# Altium PCB 通用工装板.PcbDoc (part 1 of 10) (continued)
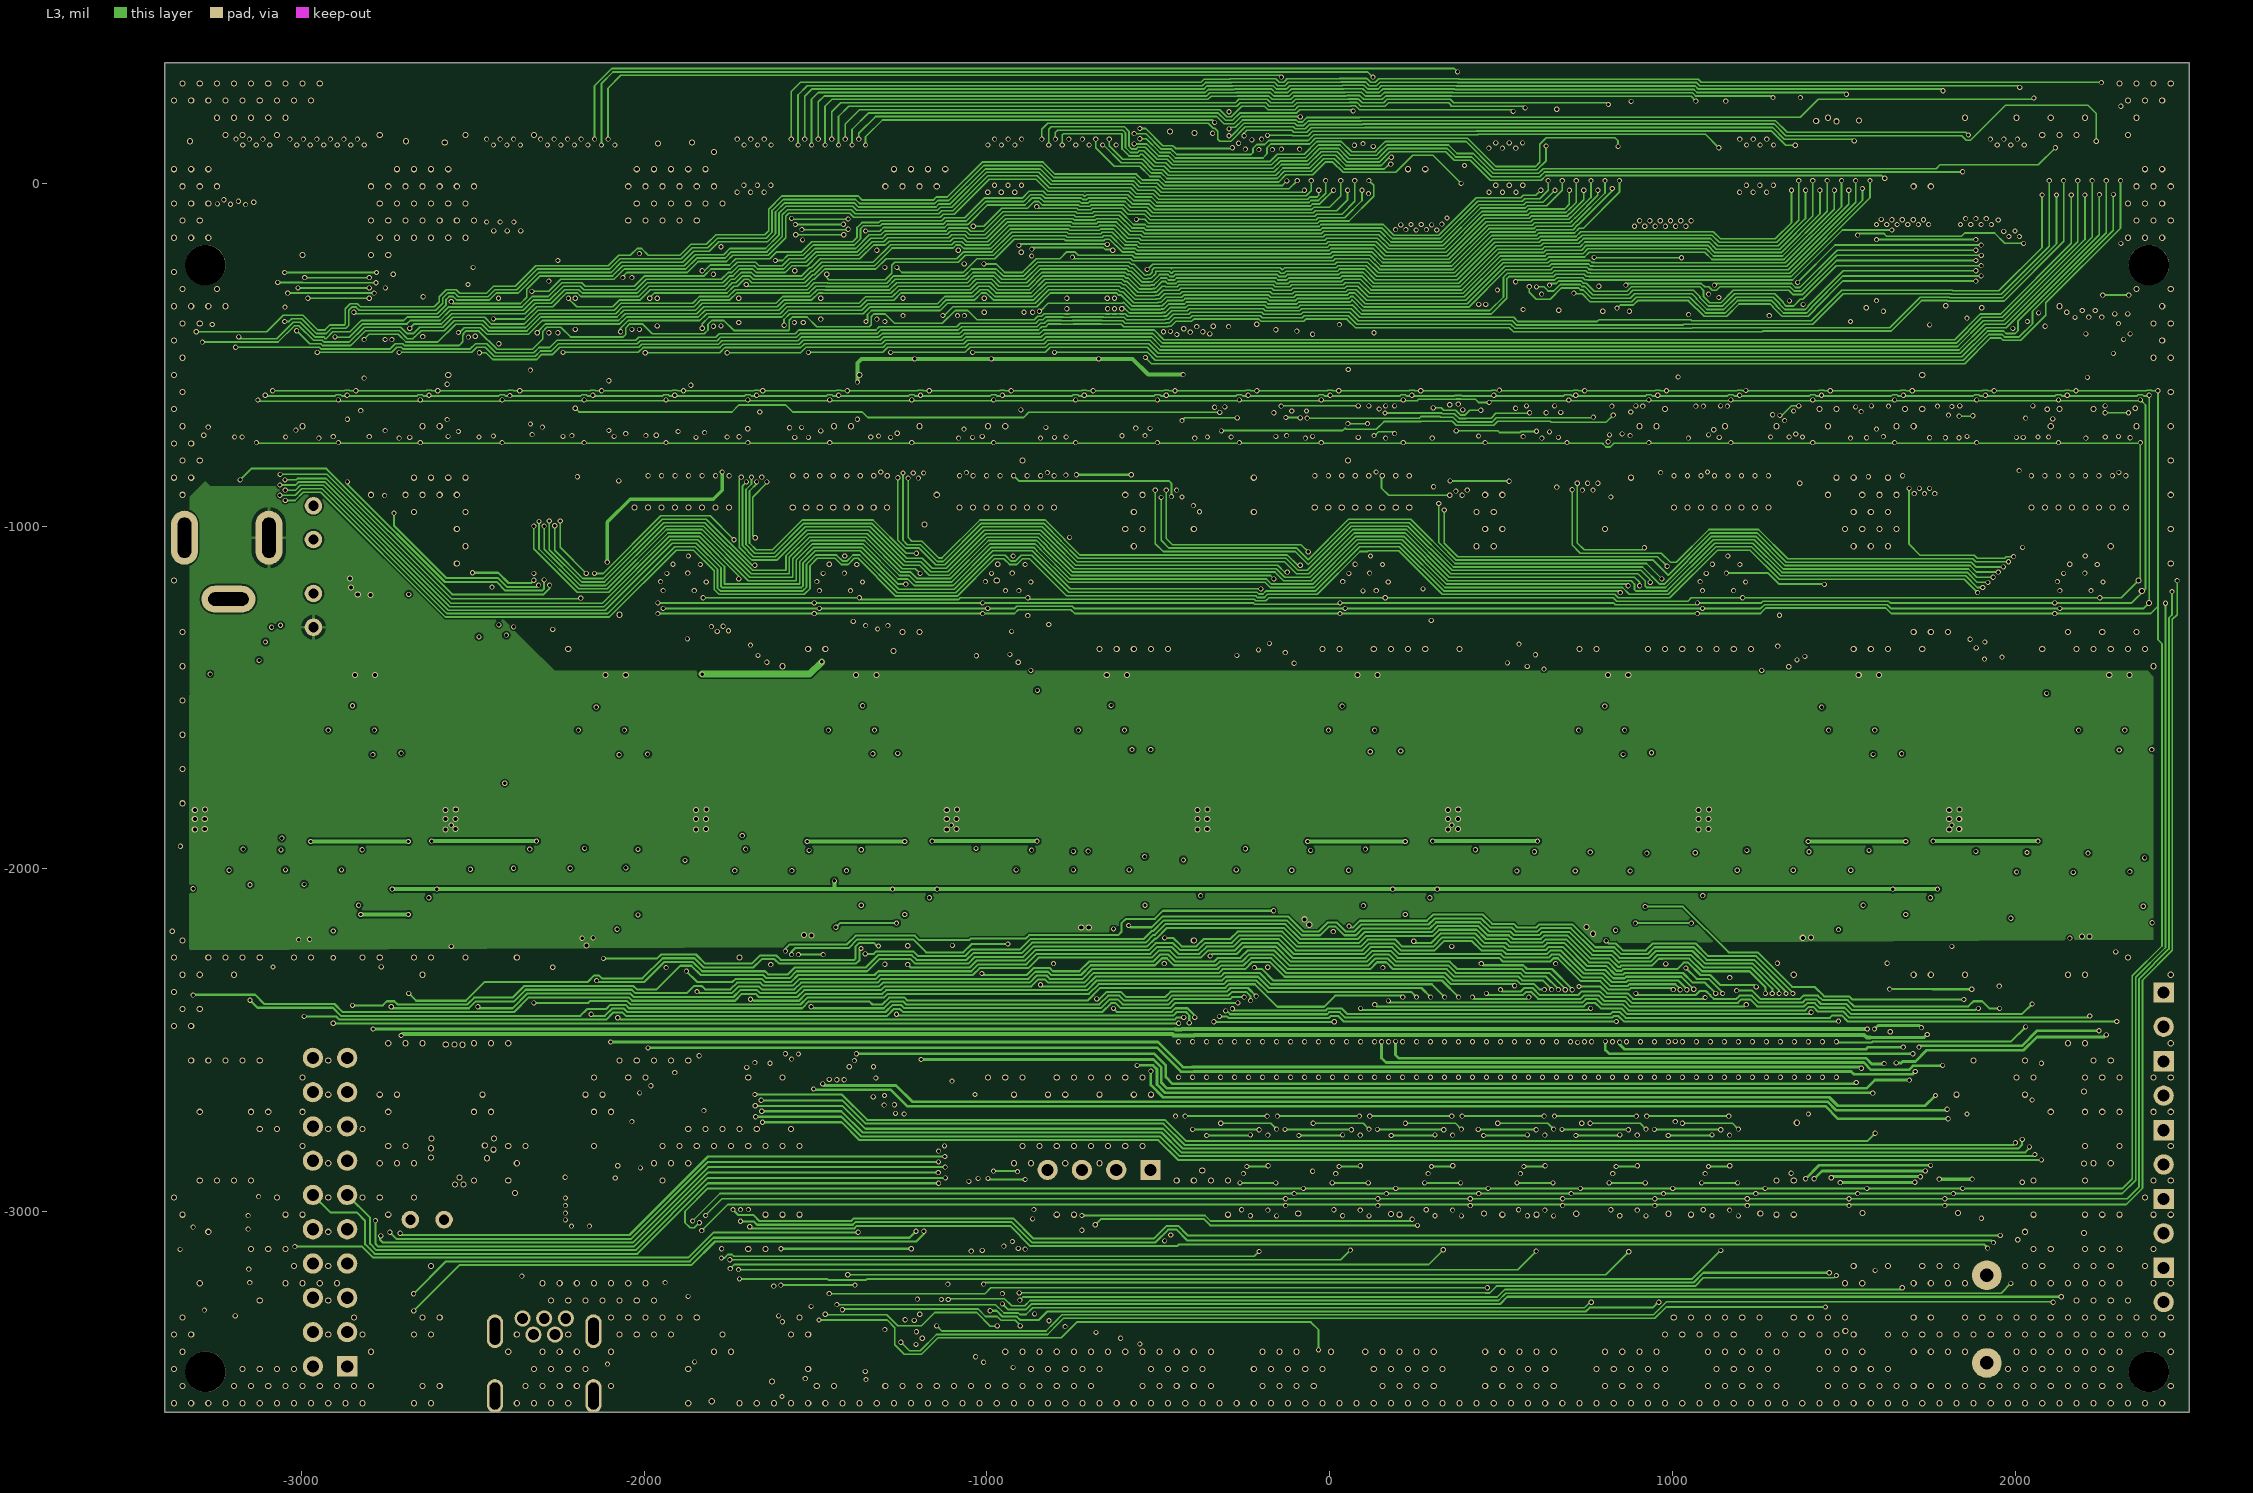
[diagram p3: L3]
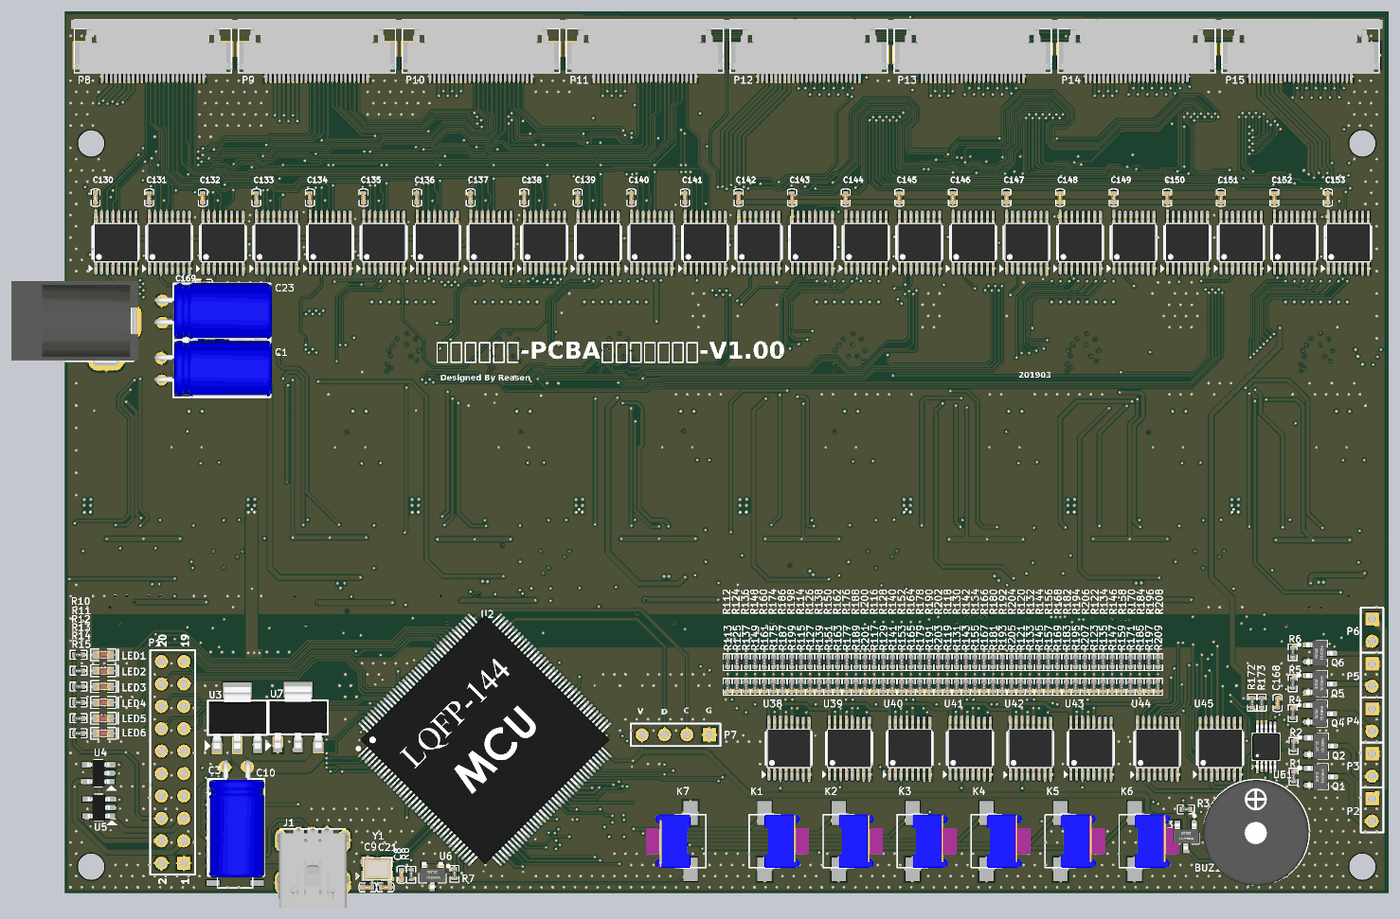
[diagram p13: 3D render of the assembled board from above, using the file's embedded part models]
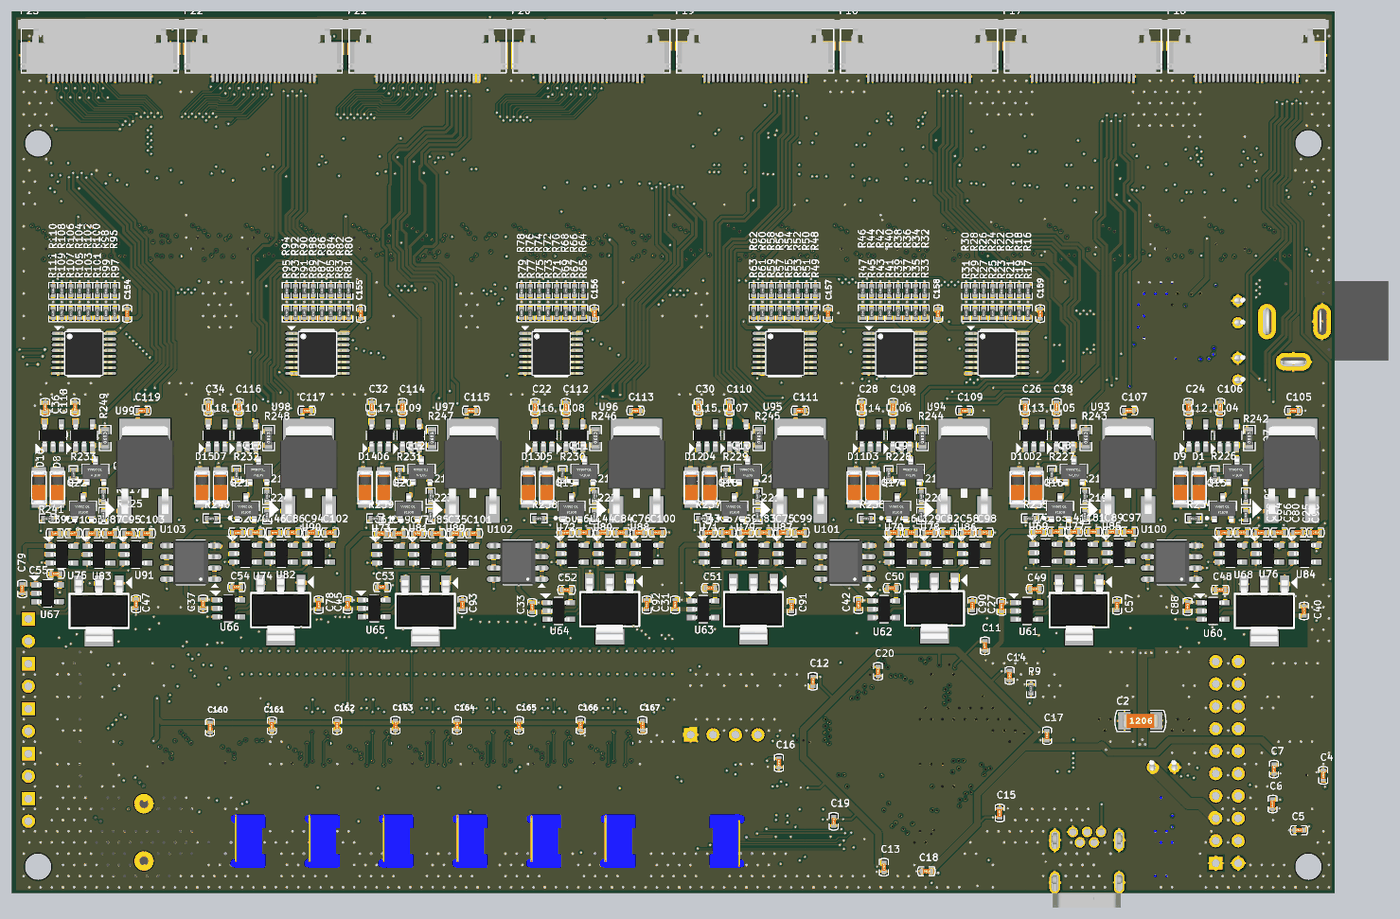
[diagram p14: 3D render of the assembled board from below, using the file's embedded part models]

## Layer stack, top to bottom
Top Solder: solder mask 0.4, Solder Resist, Dk 3.5
L1: signal copper 1.4
Dielectric 1: core 10, FR-4, Dk 4.2
L2: signal copper 1.417
Dielectric 3: prepreg 5, Dk 4.2
L3: signal copper 1.417
Dielectric 2: core 10, Dk 4.2
L4: signal copper 1.4
Bottom Solder: solder mask 0.4, Solder Resist, Dk 3.5

## Board outline
-3398,-3585 2507.51,-3585 2507.51,352.01 -3398,352.01

## Design rules (kind name [scope] priority, off if disabled: settings)
Clearance [All] p1: gap=5 ignorepadtopadclearanceinfootprint=FALSE except(0: Arc-Hole Track-Hole SMDPad-Hole THPad-Hole Via-Hole Fill-Hole Poly-Hole Region-Hole Text-Hole)
ComponentClearance [All] p1 off: gap=10 collisioncheckmode=3 verticalgap=10 showdistances=FALSE
Height [All] p1 off: minheight=0 maxheight=1000 prefheight=500
HoleSize [All] p1: absolutevalues=TRUE maxlimit=999 minlimit=1 maxpercent=80.000 minpercent=20.000
MinimumSolderMaskSliver [All] p1: minsoldermaskwidth=0
PolygonConnect via [IsVia] p1: connectstyle=Direct reliefconductorwidth=10 reliefentries=4 polygonreliefangle="90 Angle" airgapwidth=10
PolygonConnect [All] p2: connectstyle=Relief reliefconductorwidth=10 reliefentries=4 polygonreliefangle="90 Angle" airgapwidth=10
RoutingVias [All] p1: holewidth=10 width=15 viastyle="Through Hole" minholewidth=10 minwidth=15 maxholewidth=28 maxwidth=50
SilkToSilkClearance [All] p1: silktosilkclearance=0
SilkToSolderMaskClearance [IsPad] p1: minsilkscreentomaskgap=0 clearancetoexposedcopper=TRUE
SolderMaskExpansion [All] p1: expansion=4 istentingtop=FALSE
Width [All] p1: maxlimit=999 minlimit=5 preferedwidth=5
24 further rules are at their usual default settings.

## Classes and differential pairs
component class 01_mcu: BUZ1 C1 C2 C3 C4 C5 C6 C7 C8 C9 C10 C11 C12 C13 C14 C15 C16 C17 C18 C19 C20 C21 J1 K1 K2 K3 K4 K6 K7 LED1 LED2 LED3 LED4 LED5 LED6 P1 P2 P3 P4 P5 P6 P7 Q1 Q2 Q3 Q4 Q5 Q6 R1 R2 R3 R4 R5 R6 R7 R8 R9 R10 R11 R12 R13 R14 R15 U1 U2 U3 U4 U5 U6 U7 Y1
component class 02: C22 C23 C130 C131 C132 C133 C134 C135 C136 C137 C138 C139 C140 C141 C142 C143 C144 C145 C146 C147 C148 C149 C150 C151 C152 C153 C154 C155 C156 C157 C158 C159 C160 C161 C162 C163 C164 C165 C166 C167 C168 C169 P8 P9 P10 P11 P12 P13 P14 P15 P16 P17 P18 P19 P20 P21 P22 P23 R16 R17 R18 R19 R20 R21 R22 R23 R24 R25 R26 R27 R28 R29 R30 R31 R32 R33 R34 R35 R36 R37 R38 R39 R40 R41 R42 R43 R44 R45 R46 R47 R48 R49 R50 R51 R52 R53 R54 R55 R56 R57 R58 R59 R60 R61 R62 R63 R64 R65 R66 R67 R68 R69 R70 R71 R72 R73 R74 R75 R76 R77 R78 R79 R80 R81 R82 R83 R84 R85 R86 R87 R88 R89 R90 R91 R92 R93 R94 R95 R96 R97 R98 R99 R100 R101 R102 R103 R104 R105 R106 R107 R108 R109 R110 R111 R112 R113 R114 R115 R116 R117 R118 R119 R120 R121 R122 R123 R124 R125 R126 R127 R128 R129 R130 R131 R132 R133 R134 R135 R136 R137 R138 R139 R140 R141 R142 R143 R144 R145 R146 R147 R148 R149 R150 R151 R152 R153 R154 R155 R156 R157 R158 R159 R160 R161 R162 R163 R164 R165 R166 R167 R168 R169 R170 R171 R172 R173 R174 R175 R176 R177 R178 R179 R180 R181 R182 R183 R184 R185 R186 R187 R188 R189 R190 R191 R192 R193 R194 R195 R196 R197 R198 R199 R200 R201 R202 R203 R204 R205 R206 R207 R208 R209 U8 U9 U10 U11 U12 U13 U14 U15 U16 U17 U18 U19 U20 U21 U22 U23 U24 U25 U26 U27 U28 U29 U30 U31 U32 U33 U34 U35 U36 U37 U38 U39 U40 U41 U42 U43 U44 U45 U50 U51
component class 03: C24 C25 C26 C27 C28 C29 C30 C31 C32 C33 C34 C35 C36 C37 C38 C39 C40 C41 C42 C43 C44 C45 C46 C47 C48 C49 C50 C51 C52 C53 C54 C55 C56 C57 C58 C59 C60 C61 C62 C63 C64 C65 C66 C67 C68 C69 C70 C71 C72 C73 C74 C75 C76 C77 C78 C79 C80 C81 C82 C83 C84 C85 C86 C87 C88 C89 C90 C91 C92 C93 C94 C95 C96 C97 C98 C99 C100 C101 C102 C103 C104 C105 C106 C107 C108 C109 C110 C111 C112 C113 C114 C115 C116 C117 C118 C119 D1 D2 D3 D4 D5 D6 D7 D8 D9 D10 D11 D12 D13 D14 D15 D16 Q7 Q8 Q9 Q10 Q11 Q12 Q13 Q14 Q15 Q16 Q17 Q18 Q19 Q20 Q21 Q22 R210 R211 R212 R213 R214 R215 R216 R217 R218 R219 R220 R221 R222 R223 R224 R225 R226 R227 R228 R229 R230 R231 R232 R233 R234 R235 R236 R237 R238 R239 R240 R241 R242 R243 R244 R245 R246 R247 R248 R249 U52 U53 U54 U55 U56 U57 U58 U59 U60 U61 U62 U63 U64 U65 U66 U67 U68 U69 U70 U71 U72 U73 U74 U75 U76 U77 U78 U79 U80 U81 U82 U83 U84 U85 U86 U87 U88 U89 U90 U91 U92 U93 U94 U95 U96 U97 U98 U99 U100 U101 U102 U103 U104 U105 U106 U107 U108 U109 U110 U112 U113 U114 U115 U116 U117 U118 U119

## Components (designator, comment, footprint, x,y, rotation, side; value= is the part's Value field where it differs from the comment)
BUZ1 "Value" DIP_BUZZER_2P_6R5_D12H9 1916.96,-3313.35 r0 top
C1 "10uf" CAP_2P_2R5_D6R3H11_W -2697.21,-1245.74 r270 top
C2 "10uf" C1206 -2530,-2816 r180 bottom
C3 "100nF" c0402 -2716,-3098 r180 top
C4 "100nF" c0402 -3346,-3059 r90 bottom
C5 "100nF" c0402 -3238,-3304 r0 bottom
C6 "100nF" c0402 -3120,-3187 r90 bottom
C7 "100nF" c0402 -3126,-3031 r90 bottom
C8 "100nF" c0402 -1895.98,-3502.08 r90 top
C9 "20pF" c0402 -2046.59,-3558.82 r0 top
C10 "10uf" CAP_2P_2R5_D6R3H11_W -2633,-3291 r180 top
C11 "100nf" c0402 -1836,-2481 r90 bottom
C12 "100nf" c0402 -1068,-2639 r90 bottom
C13 "100nf" c0402 -1385,-3469 r90 bottom
C14 "100nf" c0402 -1946,-2613 r90 bottom
C15 "100nf" c0402 -1902,-3227 r270 bottom
C16 "100nf" c0402 -917,-3003 r90 bottom
C17 "100nf" c0402 -2113,-2882 r90 bottom
C18 "100nf" c0402 -1575,-3487 r180 bottom
C19 "100nf" c0402 -1161,-3264 r90 bottom
C20 "100nf" c0402 -1359,-2595 r90 bottom
C21 "20pF" c0402 -1967.85,-3558.82 r180 top
C22 "100NF" c0402 171.18,-1415.71 r270 bottom
C23 "100NF" CAP_2P_2R5_D6R3H11_W -2697.21,-989.83 r270 top
C24 "100NF" c0402 -2744.46,-1415.71 r270 bottom
C25 "100NF" c0402 -3232.65,-1974.76 r0 bottom
C26 "100NF" c0402 -2015.55,-1415.71 r270 bottom
C27 "100NF" c0402 -1909.81,-2305.47 r90 bottom
C28 "100NF" c0402 -1286.64,-1415.71 r270 bottom
C29 "100NF" c0402 -1586.98,-1974.76 r0 bottom
C30 "100NF" c0402 -557.73,-1415.71 r270 bottom
C31 "100NF" c0402 -453.12,-2297.6 r90 bottom
C32 "100NF" c0402 900.09,-1415.71 r270 bottom
C33 "100NF" c0402 184.68,-2309.41 r90 bottom
C34 "100NF" c0402 1629,-1415.71 r270 bottom
C35 "100NF" c0402 527.2,-1978.7 r0 bottom
C36 "100NF" c0402 2357.9,-1415.71 r270 bottom
C37 "100NF" c0402 1653.18,-2293.66 r90 bottom
C38 "100NF" c0402 -2156.16,-1415.71 r270 bottom
C39 "100NF" c0402 2314.6,-1978.7 r0 bottom
C40 "100NF" c0402 -3260.2,-2325.16 r270 bottom
C41 "100NF" c0402 -2232.65,-1970.83 r0 bottom
C42 "100NF" c0402 -1272.02,-2297.6 r90 bottom
C43 "100NF" c0402 -602.72,-1974.76 r0 bottom
C44 "100NF" c0402 -130.28,-1974.76 r0 bottom
C45 "100NF" c0402 1007.51,-2297.6 r90 bottom
C46 "100NF" c0402 1334.28,-1974.76 r0 bottom
C47 "100NF" c0402 1952.39,-2293.66 r270 bottom
C48 "100NF" c0402 -2886.19,-2230.67 r180 bottom
C49 "100NF" c0402 -2059.42,-2226.73 r180 bottom
C50 "100NF" c0402 -1421.62,-2222.8 r180 bottom
C51 "100NF" c0402 -610.6,-2222.8 r180 bottom
C52 "100NF" c0402 31.13,-2230.67 r180 bottom
C53 "100NF" c0402 853.97,-2218.86 r180 bottom
C54 "100NF" c0402 1503.57,-2218.86 r180 bottom
C55 "100NF" c0402 2310.66,-2159.8 r180 bottom
C56 "100NF" c0402 -3067.29,-1974.76 r0 bottom
C57 "100NF" c0402 -2425.56,-2301.54 r270 bottom
C58 "100NF" c0402 -1756.27,-1974.76 r0 bottom
C59 "100NF" c0402 -768.08,-1974.76 r0 bottom
C60 "100NF" c0402 35.07,-1974.76 r0 bottom
C61 "100NF" c0402 857.91,-1978.7 r0 bottom
C62 "100NF" c0402 1499.64,-1974.76 r0 bottom
C63 "100NF" c0402 2149.24,-1978.7 r0 bottom
C64 "100NF" c0402 -2984.61,-1974.76 r180 bottom
C65 "100NF" c0402 -2153.91,-1970.83 r180 bottom
C66 "100NF" c0402 -1508.24,-1974.76 r180 bottom
C67 "100NF" c0402 -685.4,-1974.76 r180 bottom
C68 "100NF" c0402 -47.61,-1974.76 r180 bottom
C69 "100NF" c0402 779.17,-1978.7 r180 bottom
C70 "100NF" c0402 1416.96,-1974.76 r180 bottom
C71 "100NF" c0402 2231.92,-1978.7 r180 bottom
C72 "100NF" c0402 -2901.94,-1974.76 r0 bottom
C73 "100NF" c0402 -2075.17,-1970.83 r0 bottom
C74 "100NF" c0402 -1429.5,-1974.76 r0 bottom
C75 "100NF" c0402 -933.43,-1974.76 r0 bottom
C76 "100NF" c0402 -291.7,-1974.76 r0 bottom
C77 "100NF" c0402 696.49,-1978.7 r0 bottom
C78 "100NF" c0402 1137.43,-2297.6 r270 bottom
C79 "100NF" c0402 2460.27,-2226.73 r90 bottom
C80 "100NF" c0402 -3149.97,-1974.76 r180 bottom
C81 "100NF" c0402 -2319.26,-1970.83 r180 bottom
C82 "100NF" c0402 -1669.65,-1974.76 r180 bottom
C83 "100NF" c0402 -850.76,-1974.76 r180 bottom
C84 "100NF" c0402 -212.96,-1974.76 r180 bottom
C85 "100NF" c0402 609.87,-1978.7 r180 bottom
C86 "100NF" c0402 1251.61,-1974.76 r180 bottom
C87 "100NF" c0402 2066.57,-1978.7 r180 bottom
C88 "100NF" c0402 -2740.52,-2305.47 r90 bottom
C89 "100NF" c0402 -2401.94,-1970.83 r0 bottom
C90 "100NF" c0402 -1779.89,-2301.54 r270 bottom
C91 "100NF" c0402 -972.8,-2305.47 r270 bottom
C92 "100NF" c0402 -327.13,-2297.6 r270 bottom
C93 "100NF" c0402 495.7,-2297.6 r270 bottom
C94 "100NF" c0402 1168.93,-1974.76 r0 bottom
C95 "100NF" c0402 1983.89,-1978.7 r0 bottom
C96 "100NF" c0402 -3311.39,-1974.76 r180 bottom
C97 "100NF" c0402 -2480.68,-1970.83 r180 bottom
C98 "100NF" c0402 -1835.01,-1974.76 r180 bottom
C99 "100NF" c0402 -1012.17,-1974.76 r180 bottom
C100 "100NF" c0402 -374.38,-1974.76 r180 bottom
C101 "100NF" c0402 444.52,-1978.7 r180 bottom
C102 "100NF" c0402 1086.25,-1974.76 r180 bottom
C103 "100NF" c0402 1905.15,-1978.7 r180 bottom
C104 "100NF" c0402 -2736.58,-1199.17 r180 top
C105 "100NF" c0402 -3212.96,-1431.46 r0 bottom
C106 "100NF" c0402 -2886.19,-1415.71 r270 bottom
C107 "100NF" c0402 -2478.99,-1431.46 r0 bottom
C108 "100NF" c0402 -1426.12,-1415.71 r270 bottom
C109 "100NF" c0402 -1745.02,-1431.46 r0 bottom
C110 "100NF" c0402 -696.09,-1415.71 r270 bottom
C111 "100NF" c0402 -1011.05,-1431.46 r0 bottom
C112 "100NF" c0402 33.95,-1415.71 r270 bottom
C113 "100NF" c0402 -277.08,-1431.46 r0 bottom
C114 "100NF" c0402 763.98,-1415.71 r270 bottom
C115 "100NF" c0402 456.89,-1431.46 r0 bottom
C116 "100NF" c0402 1494.01,-1415.71 r270 bottom
C117 "100NF" c0402 1190.86,-1431.46 r0 bottom
C118 "100NF" c0402 2224.05,-1415.71 r270 bottom
C119 "100NF" c0402 1924.83,-1431.46 r0 bottom
C130 "100NF" c0402 -3260.2,-480.34 r270 top
C131 "100NF" c0402 -3021.25,-480.34 r270 top
C132 "100NF" c0402 -2782.29,-480.34 r270 top
C133 "100NF" c0402 -2543.33,-480.34 r270 top
C134 "100NF" c0402 -2304.37,-480.34 r270 top
C135 "100NF" c0402 -2065.41,-480.34 r270 top
C136 "100NF" c0402 -1826.45,-480.34 r270 top
C137 "100NF" c0402 -1587.49,-480.34 r270 top
C138 "100NF" c0402 -1348.53,-480.34 r270 top
C139 "100NF" c0402 -1109.57,-480.34 r270 top
C140 "100NF" c0402 -870.62,-480.34 r90 top
C141 "100NF" c0402 -631.66,-480.34 r90 top
C142 "100NF" c0402 -392.7,-480.34 r90 top
C143 "100NF" c0402 -153.74,-480.34 r90 top
C144 "100NF" c0402 85.22,-480.34 r90 top
C145 "100NF" c0402 324.18,-480.34 r90 top
C146 "100NF" c0402 563.14,-480.34 r90 top
C147 "100NF" c0402 802.1,-480.34 r90 top
C148 "100NF" c0402 1041.06,-480.34 r90 top
C149 "100NF" c0402 1280.02,-480.34 r90 top
C150 "100NF" c0402 1518.98,-480.34 r270 top
C151 "100NF" c0402 1757.94,-480.34 r270 top
C152 "100NF" c0402 1996.9,-480.34 r270 top
C153 "100NF" c0402 2235.86,-480.34 r270 top
C154 "100NF" c0402 1991.76,-998.39 r270 bottom
C155 "100NF" c0402 949.24,-998.39 r270 bottom
C156 "100NF" c0402 -93.28,-998.39 r270 bottom
C157 "100NF" c0402 -1135.8,-998.39 r270 bottom
C158 "100NF" c0402 -1627.13,-998.39 r270 bottom
C159 "100NF" c0402 -2083.04,-998.39 r270 bottom
C160 "100NF" c0402 1621.68,-2844.84 r270 bottom
C161 "100NF" c0402 1346,-2837 r270 bottom
C162 "100NF" c0402 1055,-2837 r270 bottom
C163 "100NF" c0402 794.91,-2835.84 r270 bottom
C164 "100NF" c0402 519.32,-2835.84 r270 bottom
C165 "100NF" c0402 243.73,-2835.84 r270 bottom
C166 "100NF" c0402 -31.86,-2835.84 r270 bottom
C167 "100NF" c0402 -307.45,-2835.84 r270 bottom
C168 "100NF" c0402 2011,-2736 r90 top
C169 "100NF" c0402 -2777,-865 r180 top
D1 "5V0" LL34_2P_D1R5H3R7 -2791.7,-1773.98 r90 bottom
D2 "5V0" LL34_2P_D1R5H3R7 -2063.92,-1773.98 r90 bottom
D3 "5V0" LL34_2P_D1R5H3R7 -1336.13,-1773.98 r90 bottom
D4 "5V0" LL34_2P_D1R5H3R7 -608.35,-1773.98 r90 bottom
D5 "5V0" LL34_2P_D1R5H3R7 119.44,-1773.98 r90 bottom
D6 "5V0" LL34_2P_D1R5H3R7 847.22,-1773.98 r90 bottom
D7 "5V0" LL34_2P_D1R5H3R7 1575,-1773.98 r90 bottom
D8 "5V0" LL34_2P_D1R5H3R7 2302.79,-1773.98 r90 bottom
D9 "5V0" LL34_2P_D1R5H3R7 -2709.02,-1773.98 r90 bottom
D10 "5V0" LL34_2P_D1R5H3R7 -1981.24,-1773.98 r90 bottom
D11 "5V0" LL34_2P_D1R5H3R7 -1253.46,-1773.98 r90 bottom
D12 "5V0" LL34_2P_D1R5H3R7 -525.67,-1773.98 r90 bottom
D13 "5V0" LL34_2P_D1R5H3R7 202.11,-1773.98 r90 bottom
D14 "5V0" LL34_2P_D1R5H3R7 929.9,-1773.98 r90 bottom
D15 "5V0" LL34_2P_D1R5H3R7 1657.68,-1773.98 r90 bottom
D16 "5V0" LL34_2P_D1R5H3R7 2385.46,-1773.98 r90 bottom
Designator18 "Comment" DC5_3P_9R5X14_P -3094.85,-1033.82 r270 top
J1 "（mini）" DIP_MINI_USB_1 -2291.7,-3443.27 r0 top
K1 "Value" SMD_SWITCH_2P_3R5X6R0 -276.61,-3352.72 r90 top
K2 "Value" SMD_SWITCH_2P_3R5X6R0 53.44,-3352.72 r90 top
K3 "Value" SMD_SWITCH_2P_3R5X6R0 383.5,-3352.72 r90 top
K4 "Value" SMD_SWITCH_2P_3R5X6R0 713.55,-3352.72 r90 top
K5 "Value" SMD_SWITCH_2P_3R5X6R0 1043.6,-3352.72 r90 top
K6 "Value" SMD_SWITCH_2P_3R5X6R0 1373.65,-3352.72 r90 top
K7 "Value" SMD_SWITCH_2P_3R5X6R0 -606.66,-3352.72 r270 top
LED1 "Value" led0603+ -3225.74,-2521.06 r0 top
LED2 "Value" led0603+ -3225.74,-2591.93 r0 top
LED3 "Value" led0603+ -3225.74,-2662.8 r0 top
LED4 "Value" led0603+ -3225.74,-2733.66 r0 top
LED5 "Value" led0603+ -3225.74,-2804.53 r0 top
LED6 "Value" led0603+ -3225.74,-2871.46 r0 top
P1 "Header 20" HDR2X10 -2866.5,-3451.14 r90 top
P2 "Header 2" HDR1X2 2432.71,-3163.74 r270 top
P3 "Header 2" HDR1X2 2432.71,-2962.95 r270 top
P4 "Header 2" HDR1X2 2432.71,-2762.17 r270 top
P5 "Header 2" HDR1X2 2432.71,-2561.38 r270 top
P6 "Header 2" HDR1X2 2432.71,-2360.59 r270 top
P7 "Header 4" HDR1X4 -523,-2878 r180 top
P8 "Header 12X2" FPC_24P_AB_0R5_5R1X17R7 -3004.3,155.16 r0 top
P9 "Header 12X2" FPC_24P_AB_0R5_5R1X17R7 -2273.14,155.16 r0 top
P10 "Header 12X2" FPC_24P_AB_0R5_5R1X17R7 -1541.98,155.16 r0 top
P11 "Header 12X2" FPC_24P_AB_0R5_5R1X17R7 -810.82,155.16 r0 top
P12 "Header 12X2" FPC_24P_AB_0R5_5R1X17R7 -79.66,155.16 r0 top
P13 "Header 12X2" FPC_24P_AB_0R5_5R1X17R7 651.49,155.16 r0 top
P14 "Header 12X2" FPC_24P_AB_0R5_5R1X17R7 1382.65,155.16 r0 top
P15 "Header 12X2" FPC_24P_AB_0R5_5R1X17R7 2113.81,155.16 r0 top
P16 "Header 12X2" FPC_24P_AB_0R5_5R1X17R7 -3004.3,155.16 r180 bottom locked
P17 "Header 12X2" FPC_24P_AB_0R5_5R1X17R7 -2273.14,155.16 r180 bottom
P18 "Header 12X2" FPC_24P_AB_0R5_5R1X17R7 -1541.98,155.16 r180 bottom
P19 "Header 12X2" FPC_24P_AB_0R5_5R1X17R7 -810.82,155.16 r180 bottom locked
P20 "Header 12X2" FPC_24P_AB_0R5_5R1X17R7 -79.66,155.16 r180 bottom
P21 "Header 12X2" FPC_24P_AB_0R5_5R1X17R7 651.5,155.16 r180 bottom
P22 "Header 12X2" FPC_24P_AB_0R5_5R1X17R7 1382.66,155.16 r180 bottom
P23 "Header 12X2" FPC_24P_AB_0R5_5R1X17R7 2113.81,155.16 r180 bottom
Q1 "S8050" SOT23_3P_0R95_1R6X2R9 2204.36,-3065.32 r0 top
Q2 "S8050" SOT23_3P_0R95_1R6X2R9 2204.36,-2928.5 r0 top
Q3 "S8050" SOT23_3P_0R95_1R6X2R9 1602,-3333.03 r270 top
Q4 "S8050" SOT23_3P_0R95_1R6X2R9 2200.43,-2783.82 r0 top
Q5 "S8050" SOT23_3P_0R95_1R6X2R9 2200.43,-2650.95 r0 top
Q6 "S8050" SOT23_3P_0R95_1R6X2R9 2200.43,-2514.13 r0 top
Q7 "Value" SOT23_3P_0R95_1R3X2R9 -2960.99,-1699.17 r90 bottom
Q8 "Value" SOT23_3P_0R95_1R3X2R9 -2233.21,-1699.17 r90 bottom
Q9 "Value" SOT23_3P_0R95_1R3X2R9 -1505.42,-1699.17 r90 bottom
Q10 "Value" SOT23_3P_0R95_1R3X2R9 -777.64,-1699.17 r90 bottom
Q11 "Value" SOT23_3P_0R95_1R3X2R9 -49.86,-1699.17 r90 bottom
Q12 "Value" SOT23_3P_0R95_1R3X2R9 677.93,-1699.17 r90 bottom
Q13 "Value" SOT23_3P_0R95_1R3X2R9 1405.71,-1699.17 r90 bottom
Q14 "Value" SOT23_3P_0R95_1R3X2R9 2133.5,-1699.17 r90 bottom
Q15 "Value" SOT23_3P_0R95_1R3X2R9 -2898,-1864.53 r90 bottom
Q16 "Value" SOT23_3P_0R95_1R3X2R9 -2171.34,-1864.53 r90 bottom
Q17 "Value" SOT23_3P_0R95_1R3X2R9 -1444.68,-1864.53 r90 bottom
Q18 "Value" SOT23_3P_0R95_1R3X2R9 -718.02,-1864.53 r90 bottom
Q19 "Value" SOT23_3P_0R95_1R3X2R9 8.64,-1864.53 r90 bottom
Q20 "Value" SOT23_3P_0R95_1R3X2R9 735.3,-1864.53 r90 bottom
Q21 "Value" SOT23_3P_0R95_1R3X2R9 1461.95,-1864.53 r90 bottom
Q22 "Value" SOT23_3P_0R95_1R3X2R9 2188.61,-1864.53 r90 bottom
R1 "1K" r0402 2082.31,-3065.32 r90 top
R2 "1K" r0402 2082.31,-2927.52 r90 top
R3 "1K" r0402 1602,-3210.98 r0 top
R4 "1K" r0402 2078.38,-2781.85 r90 top
R5 "1K" r0402 2078.38,-2647.99 r90 top
R6 "1K" r0402 2078.38,-2510.2 r90 top
R7 "1K" R0402 -1659.76,-3498.14 r270 top
R8 "10K" R0402 -1852.68,-3502.08 r270 top
R9 "10K" R0402 -2042,-2673 r270 bottom
R10 "1K" r0402 -3335.98,-2521.06 r180 top
R11 "1K" r0402 -3335.98,-2591.93 r180 top
R12 "1K" r0402 -3335.98,-2662.8 r180 top
R13 "1K" r0402 -3335.98,-2733.66 r180 top
R14 "1K" r0402 -3335.98,-2804.53 r180 top
R15 "1K" r0402 -3335.98,-2871.46 r180 top
R16 "10K" r0402 -2027.96,-896.02 r270 bottom
R17 "20K" r0402 -2027.92,-996.42 r270 bottom
R18 "10K" r0402 -1988.59,-896.02 r270 bottom
R19 "20K" r0402 -1988.51,-996.42 r270 bottom
R20 "10K" r0402 -1949.22,-896.02 r270 bottom
R21 "20K" r0402 -1949.14,-996.42 r270 bottom
R22 "10K" r0402 -1909.85,-896.02 r270 bottom
R23 "20K" r0402 -1909.77,-996.42 r270 bottom
R24 "10K" r0402 -1870.48,-896.02 r270 bottom
R25 "20K" r0402 -1870.4,-996.42 r270 bottom
R26 "10K" r0402 -1831.11,-896.02 r270 bottom
R27 "20K" r0402 -1831.03,-996.42 r270 bottom
R28 "10K" r0402 -1791.74,-896.02 r270 bottom
R29 "20K" r0402 -1791.66,-996.42 r270 bottom
R30 "10K" r0402 -1752.43,-896.02 r270 bottom
R31 "20K" r0402 -1752,-996.42 r270 bottom
R32 "10K" r0402 -1566.74,-896.02 r270 bottom
R33 "20K" r0402 -1566.74,-996.42 r270 bottom
R34 "10K" r0402 -1527.37,-896.02 r270 bottom
R35 "20K" r0402 -1527.37,-996.42 r270 bottom
R36 "10K" r0402 -1488,-896.02 r270 bottom